# KiCad board EBAZ4205.kicad_pcb (continued)
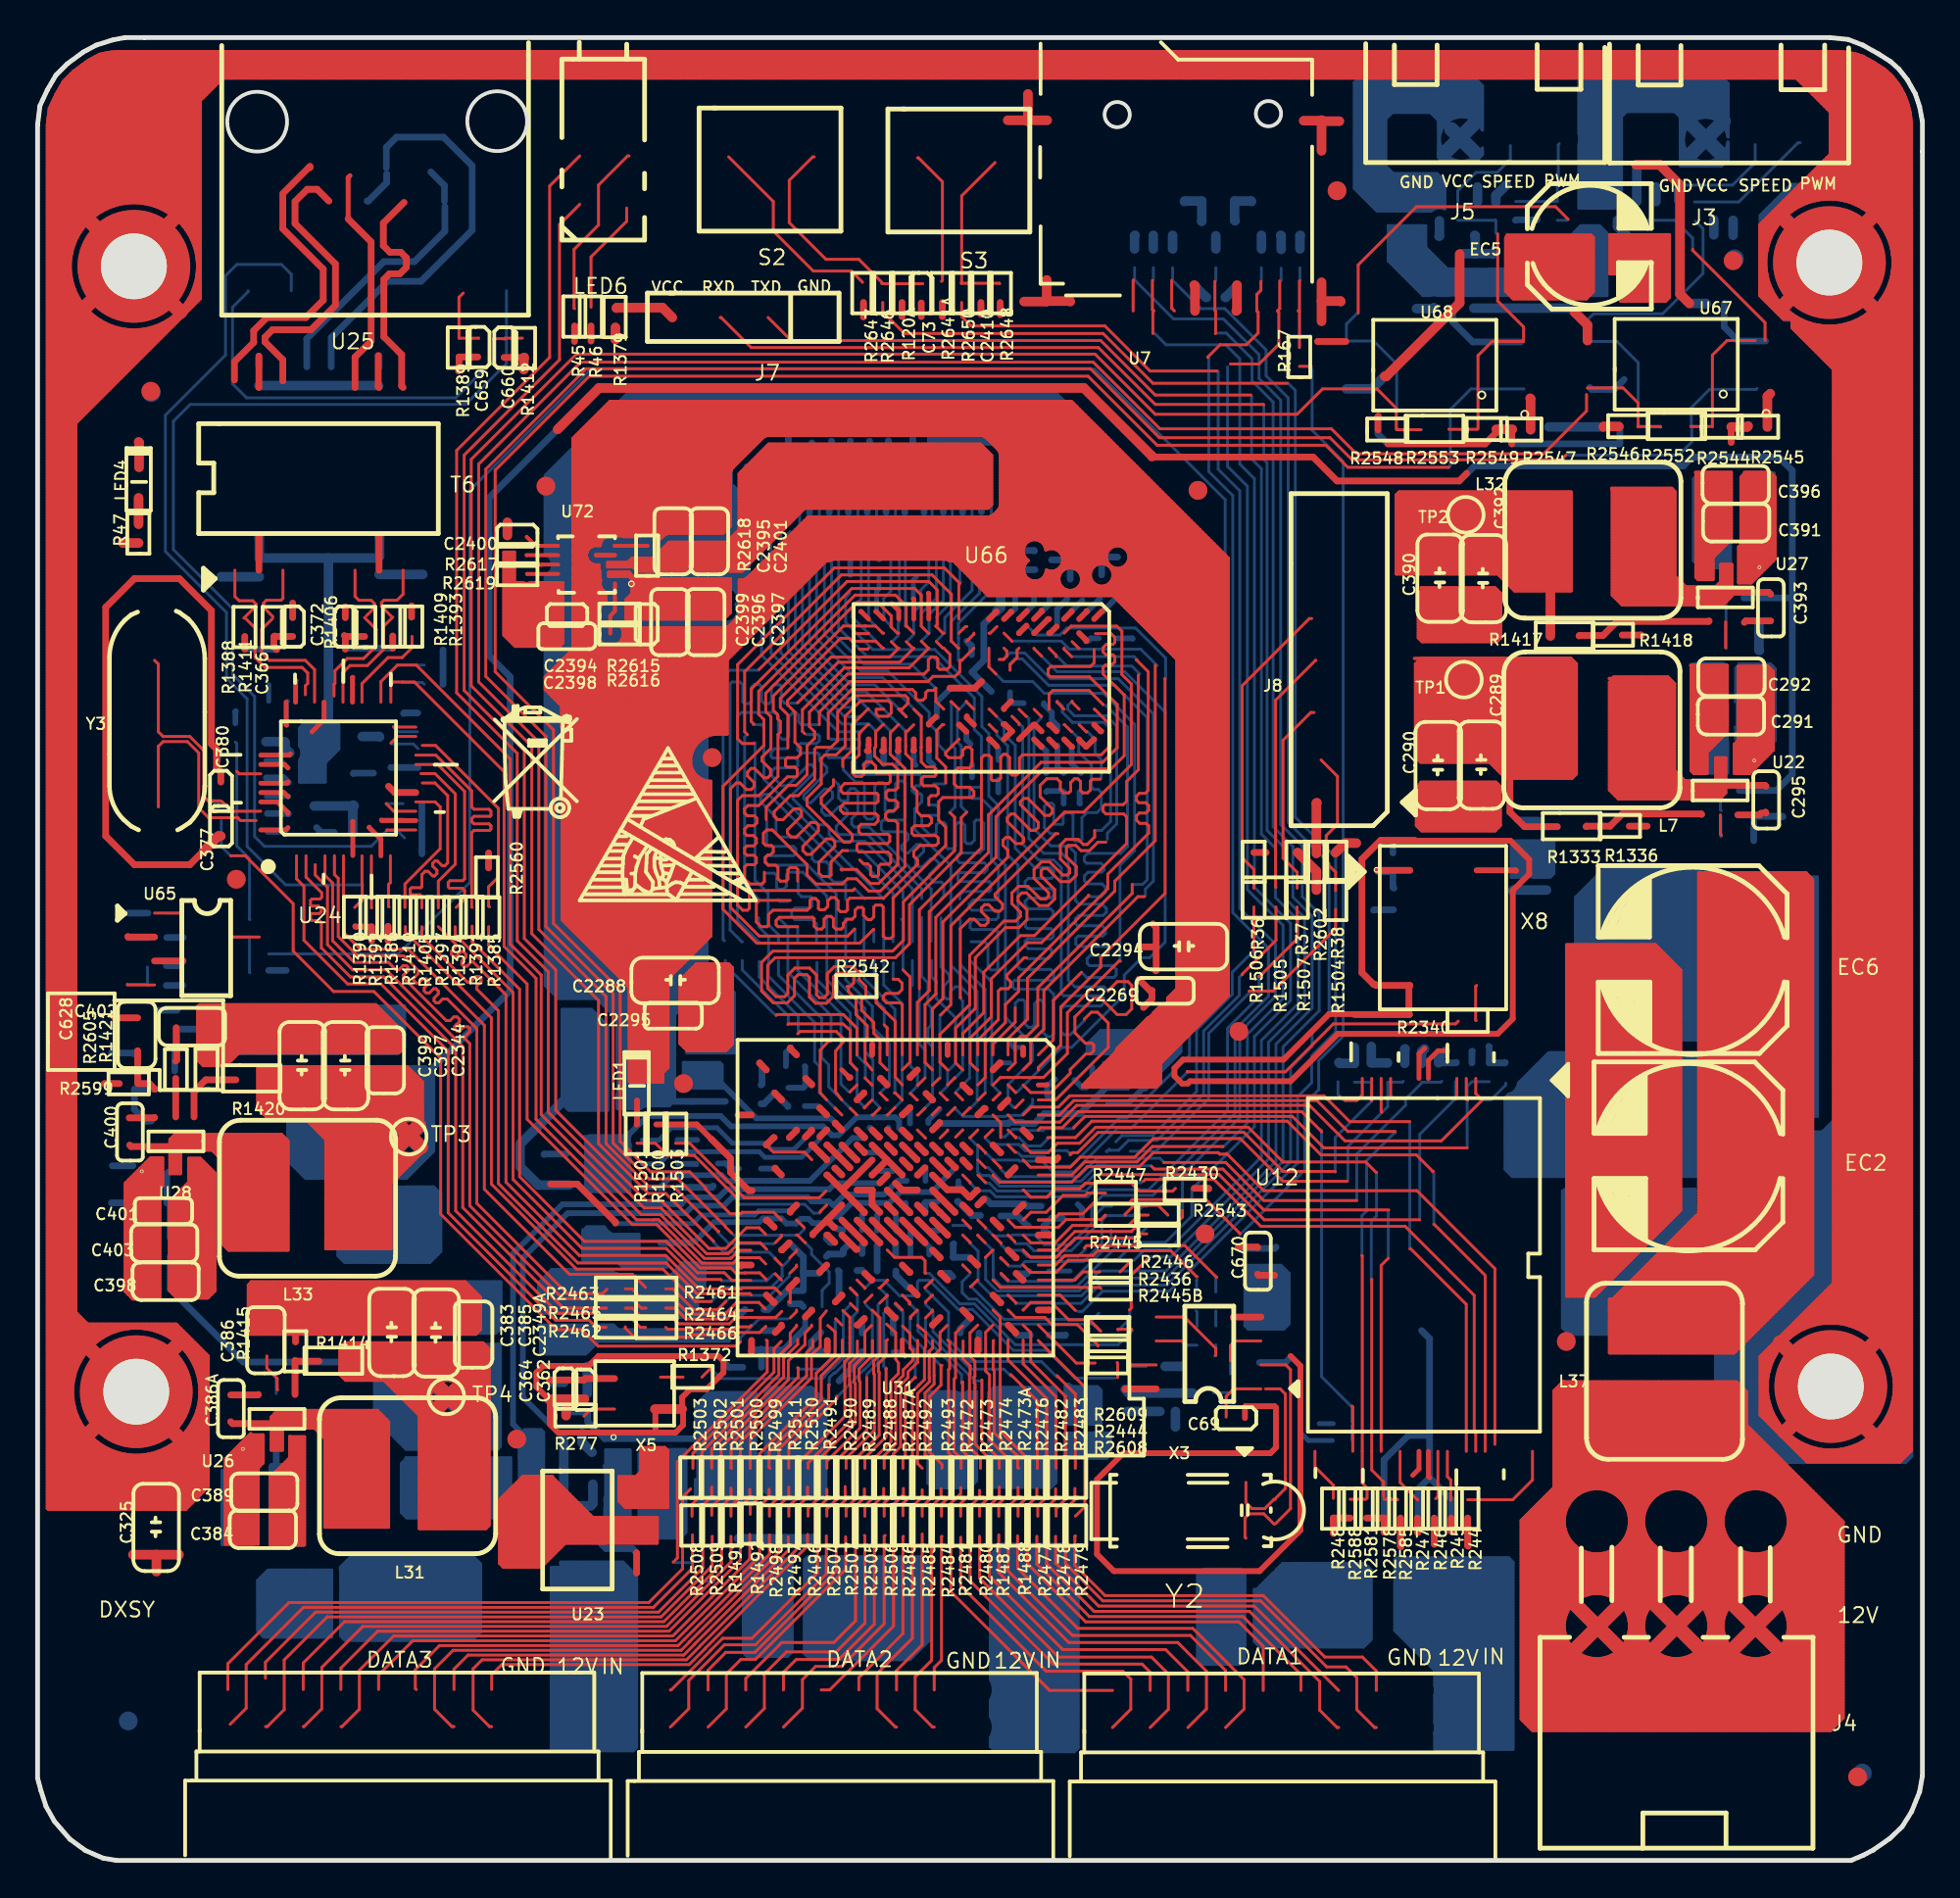
[diagram p0: board, top side]
## Routing (per net, layer and track width the routed paths; a pad name or vN(x,y) marks a point on that pad's centre or on a via; arc(x,y) is an arc through that point) (continued)
39.78,28.6 ; 35.53,44.89 35.53,45.18 ; 66.31,19.71 79.61,19.71 ; 38.4,9.67 38.98,9.67 ; 46.32,89.3 51.8,89.3 ; 52.2,7.89 56.76,7.89 ; 41.37,7.97 41.37,8.21 ; 68.3,72.4 68.3,95.97 ; 24.1,26.21 24.1,80.64 ; 36.83,45.11 38.93,45.11 ; 48.08,9.93 49.35,9.93 ; 49.81,37.23 50.18,37.23 ; 59.72,84.09 59.96,84.09 ; 44.84,46.88 45.13,46.88 ; 50.03,30.63 65.95,30.63 ; 70.71,9.81 70.71,30.66 ; 53.06,21.86 55.87,21.86 ; 45.14,30.63 46.03,30.63 ; 10.38,8.02 10.38,8.21 ; 42.63,57.81 56.25,57.81 ; 48.38,38.63 48.48,38.63 ; 46.6,60.22 49.06,60.22 ; 51.35,65.43 52.37,65.43 ; 48.35,41.42 48.5,41.42 ; 43.78,38 43.78,38.1 ; 4.16,29.37 4.16,70 ; 11,8.78 11.26,8.78 ; 45.98,35.83 49.36,35.83 ; 52.29,89.5 52.29,90.29 ; 76.04,0.53 76.04,6.59 ; 8.61,76.56 8.61,80.46 ; 61.06,0.53 61.06,6.16 ; 43.9,88.54 44.19,88.54 ; 66.44,93.11 69.88,93.11 ; 10.12,26.82 37.68,26.82 ; 24.1,25.07 24.1,25.87 ; 32.86,21.95 32.86,81.96 ; 36.67,91.65 36.67,95.98 ; 44.8,60.45 44.8,64.52 ; 74.65,43.32 74.65,60.49 ; 6.76,45.49 35.53,45.49 ; 59.75,86.38 60.02,86.38 ; 33.75,16.26 33.75,19.56 ; 72.97,40.91 75.33,40.91 ; 55.39,63.9 58.13,63.9 ; 74.9,7.93 74.9,8.19 ; 46.95,67.33 67.84,67.33 ; 47.82,8.02 49.61,8.02 ; 33.88,9.98 33.88,15.48 ; 71.47,66.68 71.47,68.72 ; 49.12,56.01 49.12,59.83 ; 37.04,67.08 46.21,67.08 ; 46.79,29.1 46.93,29.1 ; 10.64,7.89 11.61,7.89 ; 60.34,37.23 83.54,37.23 ; 25.37,65.11 25.37,65.22 ; 9.36,56.66 12.93,56.66 ; 40.74,52.4 40.74,59.59 ; 48.51,37.87 47.59,37.87 47.59,39.91 ; 57.26,22.63 79.6,22.63 ; 80.87,34.61 80.87,78.34 ; 14.83,88.99 14.83,89.24 ; 12.11,70.25 17.84,70.25 ; 41.24,7.91 41.24,8.27 ; 58.91,47.14 59.17,47.14 ; 64.1,33.72 64.1,46.14 ; 46.57,9.42 46.85,9.42 ; 42.29,72.03 42.99,72.03 ; 61.2,16.91 79.62,16.91 ; 75.15,61.82 75.15,62.46 ; 55.84,47.01 58.22,47.01 ; 34.89,9.57 34.89,86.86 ; 70.08,9.42 70.39,9.42 ; 46.28,6.37 47.14,6.37 ; 56.14,65.17 93.1,65.17 ; 57.75,93.82 57.75,93.93 ; 57.92,47.65 59.24,47.65 ; 57.08,61.62 67.18,61.62 ; 66.08,92.22 69.89,92.22 ; 45.92,46.88 55.51,46.88 ; 56.09,44.85 91.31,44.85 ; 62.58,80.25 62.58,80.89 ; 48.86,0.53 48.86,6.74 ; 71.5,56.03 93.13,56.03 ; 16.72,64.66 18.53,64.66 ; 51.79,22.95 51.79,23.51 ; 44.35,7.77 45.06,7.77 ; 57.37,38.64 57.37,43.59 ; 8.48,34.83 8.48,70.75 ; 25.12,84.46 25.12,90.83 ; 70.33,7.25 70.33,8.88 ; 18.69,6.37 19.61,6.37 ; 2.89,47.26 12.85,47.26 ; 24.11,26.18 35.48,26.18 ; 33.75,20.5 33.75,67.38 ; 13.43,57 13.43,57.77 ; 47.21,72.79 47.21,74.41 ; 47.98,57.53 47.98,58.79 ; 73.68,7.89 74.81,7.89 ; 72.23,75.49 72.23,87 ; 48.54,82.19 69.93,82.19 ; 66.01,30.7 66.01,30.8 ; 68.04,69.89 68.04,70.57 ; 18.13,15.1 18.13,55.02 ; 36.51,7.51 36.86,7.51 ; 69.06,9.96 69.06,36.26 ; 51.53,33.1 51.53,33.37 ; 49.79,60.22 50.66,60.22 ; 13.43,9.7 13.43,17.45 ; 59.74,49.93 86.48,49.93 ; 66.01,7.57 66.01,8.56 ; 68.13,6.88 68.33,6.88 ; 66.53,86.38 66.82,86.38 ; 39.72,74.97 39.72,81.74 ; 45.35,59.08 46.21,59.08 ; 13.65,57.93 18.49,57.93 ; 10,0.55 10,6.21 ; 20.04,90.84 20.04,96.32 ; 44.17,47.28 44.17,49.34 ; 40.33,8.4 41.06,8.4 ; 52.58,6.75 56.33,6.75 ; 44.37,28.98 46.06,28.98 ; 22.57,88.41 27.96,88.41 ; 70.96,9.94 70.96,30.53 ; 4.67,50.8 4.67,69.78 ; 62.74,95.14 69.86,95.14 ; 46.74,29.87 46.89,29.87 ; 36.94,46.12 46.65,46.12 ; 45.98,29.87 46.09,29.87 ; 65.63,93.92 65.63,95.7 ; 51.64,33.68 63.75,33.68 ; 43.02,58.58 43.02,72.02 ; 47.76,8.15 49.68,8.15 ; 40.48,9.56 40.48,25.83 ; 59.33,94 69.87,94 ; 50.26,75.22 50.26,94.55 ; 68.04,67.36 68.04,68.04 ; 36.19,43.71 40.19,43.71 ; 4.92,49.55 40.07,49.55 ; 44.28,30.25 44.45,30.25 ; 56.98,38.25 54.07,38.25 54.07,33.59 ; 70.23,23.9 79.59,23.9 ; 59.28,0.53 59.28,6.15 ; 71.72,9.84 71.72,17.09 ; 47.09,56.38 47.09,60.46 ; 41.37,9.94 41.37,12.56 ; 22.19,10.03 22.19,23.89 ; 12.67,0.55 12.67,6.37 13.6,6.37 ; 45.94,91.05 45.94,95 ; 11.02,94.3 11.02,96.32 ; 51.15,38.9 51.15,40.46 ; 75.79,72.44 75.79,73.53 ; 45.31,38.76 45.31,39.84 ; 73.36,71.27 75.24,71.27 ; 64.74,86.58 64.74,92.41 ; 77.31,43.71 77.31,60.59 ; 51.4,42.8 51.4,59.08 ; 25.88,66.6 25.88,83.52 ; 14.87,9.67 15.41,9.67 ; 10.12,23.77 35.04,23.77 ; 48.1,7.94 48.1,8.23 ; 50.77,37.91 50.77,38.31 ; 61.88,8.4 62.55,8.4 ; 29.37,88.92 30.96,88.92 30.96,89.96 ; 20.92,24.73 20.92,70.75 ; 58.26,93.42 58.26,93.93 ; 73.55,71.78 75.19,71.78 ; 36.13,25.93 40.19,25.93 ; 64.36,9.39 64.36,33.26 ; 46.9,26.06 47.87,26.06 ; 9.19,17.93 12.92,17.93 ; 18.26,88.91 18.26,89.22 ; 1.89,6.75 9.28,6.75 ; 2.94,31.39 38.82,31.39 ; 75.29,73.81 75.66,73.81 ; 70.58,62.29 70.58,62.97 ; 50.52,63.02 50.52,72.11 ; 37.56,91.26 37.56,95.88 ; 3.5,1.67 79.67,1.67 ; 10.89,76.56 10.89,82.68 ; 52.29,48.26 52.29,60.69 ; 49.37,46.21 49.37,55.41 ; 11.27,7.48 11.27,8.75 ; 42.17,8.28 43.23,8.28 ; 29.68,33.68 29.81,33.68 ; 11.03,8.91 11.22,8.91 ; 18.05,15.39 18.34,15.39 ; 32.13,90.06 36.01,90.06 ; 66.63,78.25 80.96,78.25 ; 50.13,7.93 50.13,8.25 ; 25.24,94.27 25.24,96.32 ; 50.55,34.06 73.16,34.06 ; 41.75,31.63 41.75,34.1 ; 10.12,23.9 21.4,23.9 ; 29.94,33.8 29.94,96.32 ; 13.81,7.99 13.81,8.23 ; 18.38,40.55 18.38,54.48 ; 56.87,57.79 56.87,59.81 ; 51.02,66.87 51.02,89.71 ; 32.39,90.57 35.8,90.57 ; 45.97,32.79 46.85,32.79 ; 56,64.54 67.4,64.54 ; 51.79,28.37 51.79,29.34 ; 83.28,36.97 83.28,50.6 ; 63.47,7.97 63.47,8.16 ; 67.41,9.96 67.41,13.17 ; 47.11,25.8 49,25.8 ; 74.93,60.6 75.26,60.6 ; 16.11,87.65 16.9,87.65 ; 39.34,82.93 39.34,95.7 ; 42.13,72.77 42.13,74.43 ; 69,58.82 69.65,58.82 ; 40.44,43.33 41.97,43.33 ; 49.5,25.68 49.5,28.48 ; 48.48,7.62 48.48,8.56 ; 67.57,86.63 72.59,86.63 ; 50.88,41.04 50.77,41.04 50.77,58.97 ; 24.94,7.64 25.4,7.64 ; 12.67,9.86 12.67,25.26 ; 52.29,90.96 52.29,94.33 ; 75.79,38.19 75.79,40.21 ; 52.18,90.06 69.9,90.06 ; 51.42,65.81 52.27,65.81 ; 20.24,37.74 43.61,37.74 ; 28.29,43.37 28.29,43.59 ; 53.82,88.8 53.82,94.17 ; 29.1,9.16 32.75,9.16 ; 19.15,63 19.15,64.22 ; 55.27,67.97 93.09,67.97 ; 23.34,26.41 23.34,82.9 ; 48.36,41.86 48.36,43.04 ; 26.13,65.77 26.13,66.01 ; 64.07,9.42 64.37,9.42 ; 88.9,73.55 93.08,73.55 ; 45.19,36.22 45.29,36.22 ; 18.91,56.41 47.11,56.41 ; 42.35,82.06 43.57,82.06 ; 7.34,50.69 7.34,79.2 ; 21.43,9.68 21.43,23.88 ; 9.28,86 73.23,86 ; 9.06,30.12 35.71,30.12 ; 88.62,62.92 88.62,63.09 ; 42.73,57.42 47.94,57.42 ; 6.6,45.61 35.61,45.61 ; 38.7,72.54 38.7,74.64 ; 74.66,36.6 82.9,36.6 ; 9.62,0.55 9.62,6.35 ; 46.83,7.39 46.83,8.79 ; 68.8,9.87 68.8,36.34 ; 45.31,59.22 45.31,59.7 ; 28.69,7.89 33.2,7.89 ; 4.41,0.74 4.41,17.49 ; 76.2,74.19 93.08,74.19 ; 32.8,21.99 33.06,21.99 ; 50.13,75.2 50.13,94.56 ; 20.97,90.95 23.53,90.95 ; 77.57,0.52 77.57,43.13 ; 45.96,34.31 46.84,34.31 ; 39.47,31.57 39.47,31.72 ; 10.12,26.18 22.77,26.18 ; 8.11,46.63 36.35,46.63 ; 48.86,9.43 48.86,25.21 ; 3.94,41.3 5.94,41.3 ; 71.49,64.03 93.1,64.03 ; 41.98,60.35 43.51,60.35 ; 75.6,17.67 79.61,17.67 ; 2.84,61.11 10.16,61.11 ; 42.23,75.2 44.04,75.2 ; 17.54,52.22 38.51,52.22 ; 72.23,32.22 72.23,34.41 ; 73.54,71.01 75.4,71.01 ; 45.05,30.75 46.1,30.75 ; 27.4,25.93 35.62,25.93 ; 10.12,27.83 37.08,27.83 ; 19.59,15.9 33.43,15.9 ; 13.55,92.6 22.59,92.6 ; 26.59,9.93 27.75,9.93 ; 15.59,90.15 15.59,96.32 ; 89,72.67 89,78.13 ; 38.07,73.51 38.07,81.67 ; 21.43,90.51 21.43,96.32 ; 56.61,0.53 56.61,6.36 ; 14.39,17.04 59.45,17.04 ; 52.55,38.7 52.55,47.66 ; 58.14,63.96 58.14,83.78 ; 70.13,9.29 70.34,9.29 ; 10.38,93.89 10.38,96.32 ; 67.15,56.4 67.15,58.74 ; 64.88,48.79 86.49,48.79 ; 36.33,7.77 37.04,7.77 ; 23.46,0.54 23.46,6.52 ; 50.63,72.28 67.58,72.28 ; 65.5,18.32 65.5,18.88 ; 9.29,93.87 10.36,93.87 ; 12.92,84.28 12.92,91.15 ; 19.08,59.2 37.82,59.2 ; 49.63,10 49.63,28.45 ; 65.5,86.38 65.77,86.38 ; 10.76,84.37 10.76,90.92 ; 45.46,26.44 47.74,26.44 ; 67.59,15.64 79.62,15.64 ; 80.36,34.11 80.36,75.91 ; 36.55,43.62 36.55,44.3 ; 31.14,33.93 40.52,33.93 ; 37.14,82.57 38.06,82.57 ; 40.57,8.78 40.82,8.78 ; 22.45,88.8 22.45,96.32 ; 62.14,7.13 62.29,7.13 ; 42.13,33.16 42.13,39.02 ; 18.51,14.61 18.51,15.16 ; 56.1,55.19 56.1,59.8 ; 75.66,7.91 75.66,8.22 ; 68.32,60.47 70.33,60.47 ; 14.45,91.03 14.45,96.32 ; 68.97,63.65 69.68,63.65 ; 26.13,66.55 26.13,91.74 ; 81.63,75.05 81.63,78.18 ; 87.22,51.19 87.22,51.67 ; 36.61,7.13 36.76,7.13 ; 71.26,30.63 79.56,30.63 ; 35.78,30.14 35.78,32.62 ; 40.1,26.41 40.1,28.54 ; 3.14,2.03 3.14,17.48 ; 89,71.04 89,72.03 ; 43.91,40.47 43.91,41.27 ; 57.12,93.82 57.12,93.93 ; 42.71,33.17 43.74,33.17 ; 8.99,32.47 8.99,32.82 ; 36.89,45.23 39,45.23 ; 37.43,27.99 37.43,34.48 ; 22.65,24.91 22.79,24.91 ; 47.59,74.82 47.81,74.82 ; 63.85,9.73 63.85,26.48 ; 1.92,11.07 79.64,11.07 ; 19.53,7.81 19.53,8.41 ; 33.63,20.98 59.91,20.98 59.91,36.83 ; 60.82,16.28 79.62,16.28 ; 62.96,84.29 62.96,86.18 ; 46.46,7.64 46.96,7.64 46.96,8.54 ; 45.31,89.51 45.31,95.07 ; 47.47,65.74 47.47,72.17 ; 16.4,88.41 16.61,88.41 ; 68.51,23.01 79.59,23.01 ; 67.15,16.18 67.15,56.2 ; 40.23,72.73 40.23,74.44 ; 26.74,66.06 44.44,66.06 ; 52.17,23.05 52.17,23.41 ; 28.04,8.04 28.04,8.18 ; 31.05,34.18 39.79,34.18 ; 47.85,82.43 47.85,94.8 ; 36.04,91.32 36.04,96.04 ; 8.02,50.44 70.73,50.44 ; 54.11,33.55 63.63,33.55 ; 1.93,12.85 40.64,12.85 ; 44.17,61.05 44.17,64.42 ; 44.19,60.98 45.85,60.98 ; 61.15,17.29 71.3,17.29 ; 49.25,0.53 49.25,6.3 ; 76.55,40.7 76.55,60.55 ; 38.21,60.09 40.45,60.09 ; 6.19,41.44 6.19,44.95 ; 55.6,60.39 55.6,64.6 ; 73.4,32.66 79.56,32.66 ; 52.55,61.29 52.55,65.32 ; 64.99,93.78 64.99,95.64 ; 48.36,39.52 48.36,39.91 ; 58.87,48.92 86.41,48.92 ; 32.04,91.46 36.19,91.46 ; 66.09,14.75 66.42,14.75 ; 50.64,0.53 50.64,7 ; 52.79,48.41 58.27,48.41 ; 51.79,26.24 51.79,27.78 ; 78.2,0.52 78.2,75.09 ; 60.17,84.45 60.17,86.18 ; 71.72,34.98 71.72,39.49 ; 73.62,69.36 93.09,69.36 ; 63.2,38.37 84.71,38.37 ; 39.42,74.7 39.7,74.7 ; 50.7,32.41 51.04,32.41 ; 87.6,50.1 87.6,50.51 ; 64.36,48.57 64.36,77.67 ; 70.84,57.23 70.84,57.94 ; 69.94,35.83 81.48,35.83 ; 9.68,18.44 65.68,18.44 ; 69,63.9 69.65,63.9 ; 76.46,37.99 84.32,37.99 ; 9.14,31.01 36,31.01 ; 40.35,31.9 47.74,31.9 ; 29.31,88.96 29.31,89.92 ; 42.9,24.83 42.9,29.4 ; 2.91,42.18 28.52,42.18 ; 81.44,35.17 79.55,33.32 79.68,0.52 4.6,0.55 1.87,3.32 1.95,17.19 2.3,17.47 8.8,17.52 10.12,18.89 10.12,28.42 9.17,29.37 3.3,29.37 2.95,29.82 2.8,74.68 9.27,81.13 9.3,95.95 9.55,96.32 33.37,96.32 56.16,93.93 59.11,93.93 63.88,95.52 69.86,96.12 69.91,89.33 81.03,78.18 89.65,78.13 93.08,74.76 93.15,46.66 82.28,36 ; 36.67,82.99 36.67,87.33 ; 44.29,26.06 44.29,28.59 ; 72.78,72.66 72.88,72.66 ; 63.14,31.01 65.46,31.01 ; 61.23,94.64 69.87,94.64 ; 74.01,20.76 74.01,28.04 ; 53.1,89.43 69.91,89.43 ; 16.48,9.96 16.48,55.04 ; 43.42,30.12 43.88,30.12 ; 61.44,0.53 61.44,6.18 ; 41.88,40.35 41.88,43.44 ; 50.55,33.29 51.08,33.29 ; 51.53,37.98 51.53,38.24 ; 81.7,74.7 93.08,74.7 ; 6.38,78.25 64.27,78.25 ; 50.66,41.17 50.99,41.17 ; 78.46,0.52 78.46,52.35 ; 20.04,76.56 20.04,87.51 ; 86.84,50.1 86.84,50.45 ; 58.64,84.36 58.64,86.19 ; 43.35,13.36 66.19,13.36 ; 88.62,73.72 88.62,78.14 ; 8.48,33.37 8.48,34.05 ; 36.71,87.4 41.31,87.4 ; 59.28,84.49 59.28,86.12 ; 2.89,46.63 4.38,46.63 ; 28.91,9.67 32.96,9.67 ; 57.25,44.28 57.25,45.99 ; 69.84,6.37 70.64,6.37 ; 63.47,80.02 63.47,95.39 ; 65.25,9.98 65.25,46.77 ; 26.31,92.86 56.5,92.86 ; 34.64,82.46 34.64,87.01 ; 58.39,47.23 58.39,48.29 ; 51.79,63.74 51.79,64.51 ; 41.32,12.97 41.46,12.97 ; 64.36,33.44 64.36,45.9 ; 2.86,55.39 16.39,55.39 ; 2.62,2.56 79.67,2.56 ; 54.07,38.7 54.07,41.11 ; 69.18,9.98 69.18,36.28 ; 51.02,33.19 51.02,33.33 ; 26.51,9.96 26.51,19.72 ; 87.04,50.57 87.17,50.57 ; 14.68,6.37 15.6,6.37 ; 60.79,23.39 67.83,23.39 ; 22.74,84.48 24.88,84.48 ; 37.56,35.07 50.04,35.07 ; 65.3,83.71 65.94,83.71 ; 74.53,36.98 83.28,36.98 ; 38.27,26.82 45.76,26.82 ; 47.34,65.14 47.34,65.46 ; 63.72,7.85 63.72,8.27 ; 12.13,83.59 12.57,83.59 ; 51.62,42.44 88.85,42.44 ; 39.61,81.55 40.69,81.55 ; 59.81,6.37 60.61,6.37 ; 37.82,0.54 37.82,6.18 ; 41.68,91.59 46.65,91.59 ; 15.4,90.06 15.59,90.06 ; 37.68,90.32 40.42,90.32 ; 13.5,92.98 22.64,92.98 ; 66.07,14.5 66.47,14.5 ; 46.64,7.13 46.79,7.13 ; 9.29,93.62 10.15,93.62 ; 1.93,13.61 42,13.61 ; 61.69,0.53 61.69,6.28 ; 50.55,8.66 50.9,8.66 ; 42.59,38.88 44.71,38.88 ; 7.28,79.14 62.4,79.14 ; 38.96,9.64 38.96,29.39 ; 36.26,9.8 37.11,9.8 ; 71.6,77.18 71.6,78.62 ; 65.81,93.87 69.87,93.87 ; 83.81,51.07 84.32,51.07 ; 70.84,64.79 89.51,64.79 ; 37.02,37.23 43.06,37.23 ; 42.53,8.66 42.87,8.66 ; 25.81,83.21 76.01,83.21 ; 88.87,71.92 88.87,72.22 ; 8.93,80.79 23.92,80.79 ; 67.79,79.92 67.79,95.92 ; 44.04,0.54 44.04,6.23 ; 11.67,84.35 13.03,84.35 ; 2.88,51.84 16.89,51.84 ; 17.88,89.19 17.88,89.47 ; 20.42,87.9 20.82,87.9 ; 61.41,27.58 79.58,27.58 ; 45.99,32.91 46.83,32.91 ; 73.25,39.65 73.25,68.39 ; 38.61,7.01 38.77,7.01 ; 21.06,9.29 21.25,9.29 ; 69.69,71.79 69.69,96.11 ; 56.8,43.71 57.18,43.71 ; 51.53,42.7 51.53,60.67 ; 59.53,86.86 59.53,94.07 ; 20.93,6.62 21.38,6.62 ; 40.21,33.17 40.5,33.17 ; 88.36,41.96 88.36,59.49 ; 52.01,63.65 58.22,63.65 ; 34.26,68.12 34.26,81.33 ; 43.78,0.54 43.78,6.18 ; 43.11,57.93 56.46,57.93 ; 49.68,35.71 50.26,35.71 ; 22.07,8.05 22.07,8.18 ; 37.02,29.74 38.81,29.74 ; 39.34,72.62 39.34,74.56 ; 63.34,0.53 63.34,6.16 ; 26.41,8.02 27.93,8.02 ; 2.8,73.55 8.27,73.55 ; 49.54,25.29 49.98,25.29 ; 22.58,9.93 22.58,24.26 ; 51.66,91.56 51.66,94.4 ; 21.32,71.27 67.18,71.27 ; 70.71,57.23 70.71,57.92 ; 40.83,26.31 44.77,26.31 ; 19.86,15.51 33.67,15.51 ; 86.58,53 86.58,78.15 ; 47.47,29.2 47.47,29.37 ; 52.98,60.73 53.07,60.73 ; 25.88,9.98 25.88,19.61 ; 61.06,17.49 61.06,19.71 ; 8,50.31 70.81,50.31 ; 45.82,89.5 45.82,95.01 ; 31.08,0.54 31.08,33.72 ; 10.97,7.51 11.29,7.51 ; 28.07,76.22 80.04,76.22 ; 2.81,72.03 8.27,72.03 ; 56.19,32.66 72.65,32.66 ; 9.24,7.4 9.24,8.82 ; 6.51,78.38 64.47,78.38 ; 76.39,72.41 88.25,72.41 ; 51.15,61.27 51.15,62.79 ; 58.02,7.51 58.39,7.51 ; 13.87,82.7 22.31,82.7 ; 87.68,50.06 93.14,50.06 ; 45.94,61.15 45.94,64.6 ; 59.02,86.68 59.02,93.93 ; 80.61,34.36 80.61,75.95 ; 51.42,66.44 52.26,66.44 ; 45.83,37.36 47.02,37.36 ; 38.45,55.62 38.45,59.23 ; 45.16,30.37 46.03,30.37 ; 12.67,94.14 12.67,96.32 ; 46.2,89.37 46.2,89.88 ; 46.8,28.72 46.89,28.72 ; 56.36,66.76 56.36,68.14 ; 17.03,7.39 17.26,7.39 ; 58.01,7.53 58.01,8.59 ; 17.13,55.14 17.99,55.14 ; 58.09,92.22 64.92,92.22 ; 53.94,0.53 53.94,25.55 ; 40.37,51.33 55.53,51.33 ; 55.21,29.62 55.21,37.38 ; 58.49,26.31 63.21,26.31 ; 52.3,9.8 56.65,9.8 ; 18.88,8.53 19.42,8.53 ; 73.98,7.64 74.51,7.64 ; 65.63,18.41 65.63,18.79 ; 25.09,9.04 25.24,9.04 ; 50.38,72.03 67.31,72.03 ; 41.12,72.79 43.08,72.79 ; 51.4,38.07 51.4,38.15 ; 43.02,42.03 43.02,52.47 ; 89.42,69.74 93.09,69.74 ; 19.84,15.64 33.51,15.64 ; 47.34,65.93 47.58,65.93 ; 31.97,88.93 31.97,89.94 ; 6.56,41.3 28.48,41.3 ; 1.94,14.88 17.68,14.88 ; 52.13,61.49 53.92,61.49 ; 8.22,29.37 8.22,33.44 ; 40.71,43.71 41.84,43.71 ; 89.5,64.78 89.5,69.77 ; 48.23,7.87 48.23,8.3 ; 71.11,63.14 75.13,63.14 ; 33.76,20.21 59.45,20.21 ; 25.9,64.54 26.31,64.54 ; 42.13,91.23 42.13,95.4 ; 20.52,37.99 43.77,37.99 ; 52.11,24.53 52.37,24.53 ; 63.83,26.44 79.58,26.44 ; 67.41,64.54 67.41,65.79 ; 6.95,0.55 6.95,17.51 ; 72.26,70 53.31,70 53.31,86.88 ; 8.35,76.56 8.35,80.21 ; 42.51,58.43 42.51,74.77 ; 38.96,30.01 38.96,30.96 ; 20.23,87.65 21.01,87.65 ; 40.45,74.7 40.72,74.7 ; 42.51,0.54 42.51,6.66 ; 48.61,37.99 48.61,38.19 ; 46.01,36.22 49.27,36.22 ; 73.56,69.62 93.09,69.62 ; 54.11,38.63 57.27,38.63 ; 57.84,25.55 79.58,25.55 ; 20.39,88.79 20.85,88.79 ; 47.47,41.14 47.47,41.34 ; 13.71,54.88 18.19,54.88 ; 20.59,38.12 35.57,38.12 ; 58.96,48.79 64.57,48.79 ; 9.27,81.3 24,81.3 ; 65.37,0.53 65.37,6.16 ; 42.76,39.01 47.76,39.01 ; 46.2,41.17 46.2,47.03 ; 18.13,10.03 18.13,14.34 ; 27.66,9.87 27.66,27 ; 50.39,36.44 50.39,36.53 ; 23.97,10.01 23.97,23.84 ; 66.36,17.55 71.26,17.55 ; 20.17,89.05 21.07,89.05 ; 2.83,64.54 10.64,64.54 ; 19.82,62.76 47.64,62.76 ; 54.57,65.55 67.78,65.55 ; 6.64,41.04 28.61,41.04 ; 71.6,52.93 71.6,75.1 ; 40.1,9.91 40.1,26.04 ; 45.82,27.06 45.82,29.29 ; 2.86,57.42 41.97,57.42 ; 56.36,9.44 56.36,21.46 ; 10.12,27.33 26.67,27.33 ; 11.41,64.41 12.33,64.41 ; 43.66,30.73 43.66,31.11 ; 20.04,89.14 20.04,89.36 ; 28.88,44.09 34.91,44.09 ; 44.93,7.6 44.93,8.57 ; 42.01,43.95 42.01,57.33 ; 59.15,0.53 59.15,6.15 ; 40.36,31.54 40.36,31.91 ; 38.83,33.07 38.83,38.34 ; 17.16,55.39 17.91,55.39 ; 39.97,59.62 39.97,71.99 ; 64.11,9.29 64.33,9.29 ; 62.96,7.97 62.96,8.16 ; 26.29,92.22 56.81,92.22 ; 59.41,50.24 59.41,63.24 ; 8.04,79.9 11.43,79.9 ; 43.78,49.82 43.78,51.48 ; 46.96,75.11 46.96,87.87 ; 31.71,89.05 34.39,89.05 ; 75.79,7.83 75.79,8.29 ; 13.43,0.55 13.43,6.52 ; 40.37,31.14 41.21,31.14 ; 49.82,32.53 50.23,32.53 ; 66.41,95.78 69.86,95.78 ; 70.84,62.26 70.84,63.01 ; 61.82,9.75 61.82,30.7 ; 41.88,75.13 41.88,81.32 ; 36.29,31.26 36.29,32.96 ; 59.15,37.32 59.15,45.15 ; 9.29,93.24 9.95,93.24 ; 62.55,80.28 78.93,80.28 ; 19.29,64.54 21.2,64.54 ; 42.01,34.56 43.61,34.56 ; 18.12,89.05 19.01,89.05 ; 2.9,44.98 6.17,44.98 ; 44.29,49.88 44.29,59.89 ; 8.93,33.29 29,33.29 ; 41.37,34.78 41.37,38.25 ; 62.67,80.03 79.18,80.03 ; 17.37,52.31 17.37,70.75 ; 67.41,59.48 67.41,60.72 ; 71.98,17.69 71.98,31.67 ; 34.39,9.67 34.97,9.67 ; 51.53,38.79 51.53,40.6 ; 62.07,0.53 62.07,6.73 ; 47.33,91.46 50.87,91.46 ; 47.09,72.79 47.09,74.42 ; 76.43,73.93 93.08,73.93 ; 52.34,90.44 69.9,90.44 ; 13.56,47.58 13.56,54.66 ; 54.12,41.3 87.68,41.3 ; 51.79,24.07 51.79,24.61 ; 73.52,71.9 75.23,71.9 ; 52.42,41.01 52.42,47.71 ; 56.48,22.87 56.48,36.11 ; 11.4,9.67 11.4,64.35 ; 84.87,52.73 86.39,52.73 ; 68.93,69.33 68.93,71.14 69.72,71.14 ; 57.5,69.77 57.5,91.98 ; 13.45,18.18 13.82,18.18 ; 12.42,8.01 12.42,8.22 ; 66.2,93.62 69.88,93.62 ; 69.95,72.18 69.95,82.16 ; 66.87,78.76 71.39,78.76 ; 48.28,45.36 51.63,45.36 ; 61.34,88.54 70.69,88.54 ; 43.26,72.03 45.02,72.03 ; 17.47,51.58 43.11,51.58 ; 61.42,88.29 70.95,88.29 ; 44.34,31.01 46.94,31.01 ; 48.61,62.79 48.61,64.48 ; 12.54,25.98 12.54,64.1 ; 59.25,31.64 79.56,31.64 ; 9.69,28.85 39.61,28.85 ; 39.75,81.81 40.55,81.81 ; 19.97,89.17 20.54,89.17 ; 21.32,75.2 38.94,75.2 ; 58.64,36.44 58.64,45.06 ; 40.37,31.52 41.26,31.52 ; 66.19,31.01 70.62,31.01 ; 8.61,33.41 8.61,34.05 ; 11.26,64.79 12.53,64.79 ; 68.93,59.2 69.72,59.2 ; 42.5,74.95 42.76,74.95 ; 9.28,88.41 14.55,88.41 ; 75.8,60.6 76.01,60.6 ; 47.55,30.25 49.37,30.25 ; 60.29,84.49 60.29,86.12 ; 79.22,0.52 79.22,80 ; 8.95,17.67 12.93,17.67 ; 44.89,38.88 45.51,38.88 ; 38.6,7.26 38.78,7.26 ; 45.9,32.66 46.91,32.66 ; 83.65,51.96 84.46,51.96 ; 65.95,6.5 66.5,6.5 ; 65.44,8.15 67.01,8.15 ; 68.55,0.53 68.55,6.45 ; 5.15,46.5 7.34,46.5 ; 67.53,83.97 75.25,83.97 ; 55.54,39.01 68.01,39.01 ; 40.99,60.33 40.99,72.02 ; 59.88,47.26 63.72,47.26 63.72,79.34 ; 76.1,9.42 79.65,9.42 ; 40.74,38.88 40.74,43.73 ; 36.17,38.63 38.84,38.63 ; 74.15,6.88 74.34,6.88 ; 13.69,18.09 13.69,19.51 ; 54.2,55.03 54.2,58.91 ; 74.14,9.3 74.14,19.99 ; 54.83,39.26 54.83,58.91 ; 46.58,65.82 46.58,66.76 ; 70.32,43.58 72.68,43.58 ; 51.66,32.94 51.66,38.48 ; 52.63,9.29 56.3,9.29 ; 2.87,54.12 42.97,54.12 ; 56.76,44.09 57.11,44.09 ; 73.41,70.63 88.34,70.63 ; 18.56,70.51 72.25,70.51 ; 58.64,0.53 58.64,6.34 ; 37.3,24.79 42.07,24.79 ; 2.88,49.68 40.06,49.68 ; 49.93,29.1 54.85,29.1 ; 54.62,25.67 57.08,25.67 ; 72.87,0.53 72.87,6.23 ; 58.77,47.26 58.77,48.27 ; 63.81,79.78 67.47,79.78 ; 50.83,35.96 58.48,35.96 ; 26.57,64.54 43.39,64.54 ; 57.37,26.08 57.37,31.56 ; 40.1,52.31 40.1,58.87 ; 42.26,89.55 42.26,90.39 ; 22.97,9.55 23.35,9.55 ; 19.21,64.28 21.21,64.28 ; 52.42,23.43 52.42,23.63 ; 73.72,17.17 75.04,17.17 ; 46.71,59.46 50.71,59.46 ; 77.52,43.58 90.01,43.58 ; 44.55,60.49 44.55,64.49 ; 51.55,64.03 53.04,64.03 ; 50.9,42.67 50.9,58.89 ; 19.84,15.39 66.27,15.39 ; 7.84,29.37 7.84,33.4 ; 81.88,36 81.88,78.17 ; 50.9,59.61 50.9,59.7 ; 28.42,8.02 28.42,8.2 ; 43.28,42.06 43.28,49.24 ; 57.5,25.2 57.5,25.31 ; 20.8,88.69 20.8,89.19 ; 43.53,41.16 43.53,41.46 ; 10.12,26.56 35.67,26.56 ; 35.66,89.57 35.66,96.08 ; 29.1,27.2 37.6,27.2 ; 21.32,72.66 38.81,72.66 ; 43.71,65.68 44.21,65.68 ; 59.28,63.97 59.28,80.89 ; 49.88,33.17 49.88,33.36 ; 67.32,86.13 73.1,86.13 ; 41.12,38.79 41.12,59.71 41.68,59.71 ; 78.92,52.98 83.57,52.98 ; 76.3,38.25 76.3,40.11 ; 87.98,63.51 87.98,78.14 ; 28.84,7.77 33.03,7.77 ; 13.43,76.56 13.43,82.62 ; 60.31,62.63 75.09,62.63 ; 7.34,43.61 7.34,46.52 ; 39.53,29.48 42.84,29.48 ; 44.42,88.97 44.42,95.16 ; 48.34,40.28 48.49,40.28 ; 56.09,44.72 91.18,44.72 